# Altium PCB QRE_PCB.PcbDoc
Units mm, origin at the board's own origin, x right, y up, seen from the top; angles counter-clockwise.
Board outline 55 x 20 mm, 2 copper layers (Top Layer, Bottom Layer); 10 components, 9 nets, 32 pads, 6 vias.
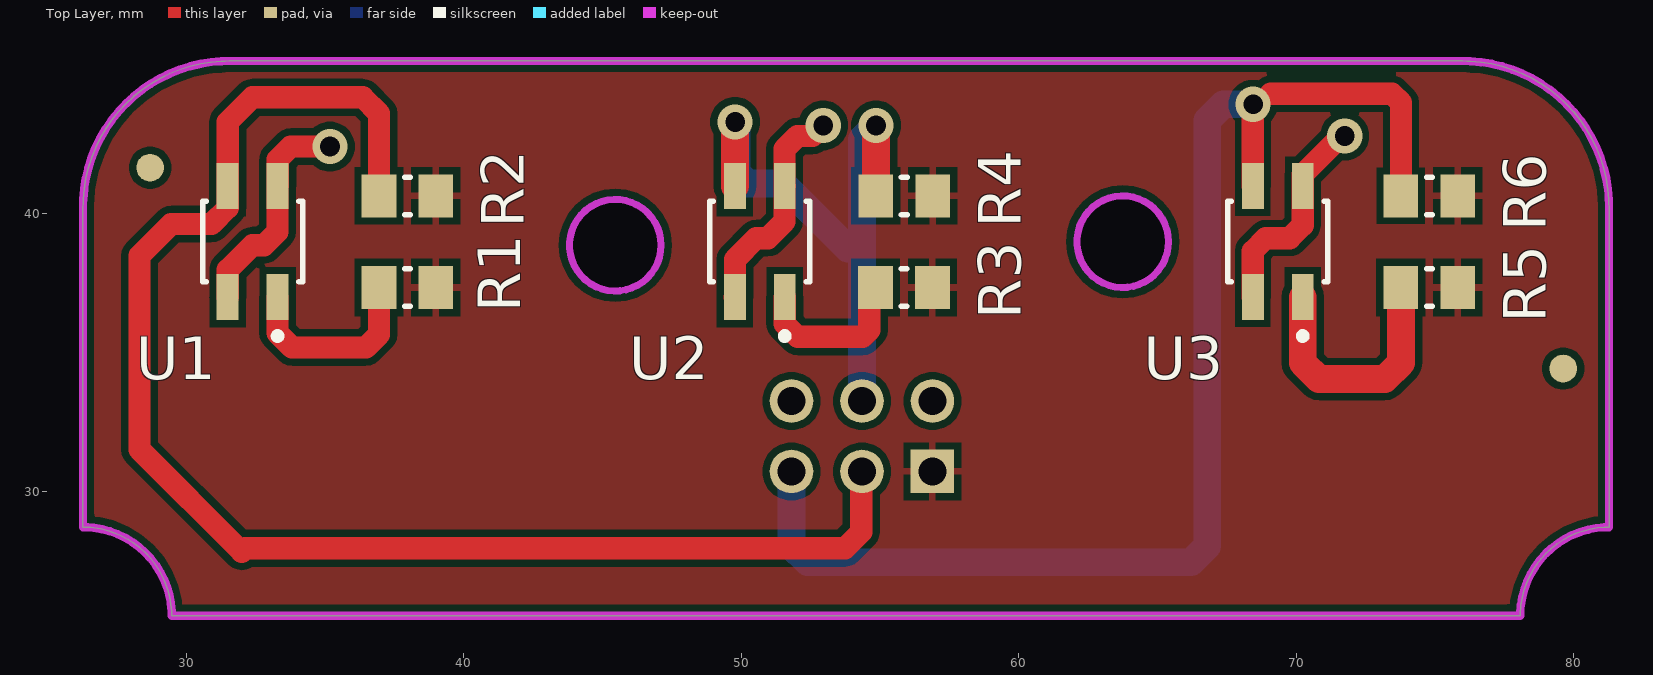
[diagram p0: Top Layer view]
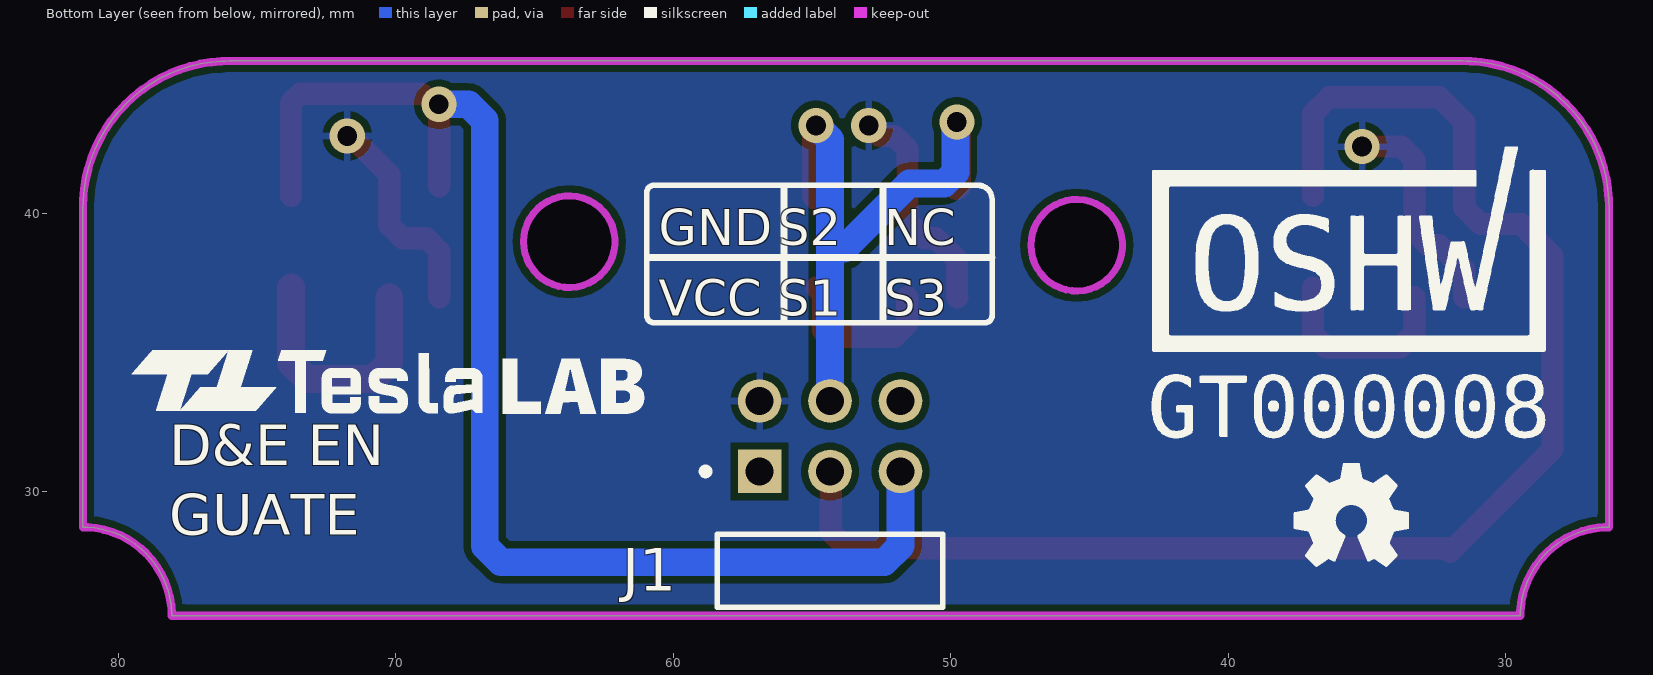
[diagram p1: Bottom Layer view, seen from below]

## Layer stack, top to bottom
Top Solder: solder mask 0.0102, Solder Resist, Dk 3.5
Top Layer: signal copper 0.0356
Dielectric 1: dielectric 0.32, FR-4, Dk 4.8
Bottom Layer: signal copper 0.0356
Bottom Solder: solder mask 0.0102, Solder Resist, Dk 3.5

## Board outline
26.449,28.698 cw(c26.282,25.486) 26.672,28.678 cw(c26.279,25.502) 29.476,25.665 cw(c26.233,25.502) 29.48,25.502 78.08,25.502 cw(c81.332,25.502) 78.084,25.671 cw(c81.299,25.504) 78.104,25.894 cw(c81.28,25.501) 81.117,28.698 cw(c81.28,25.454) 81.28,28.702 81.28,40.235 ccw(c75.927,40.236) 81.273,40.513 ccw(c75.985,40.239) 81.241,40.88 ccw(c76.013,40.234) 76.282,45.495 ccw(c76.014,40.153) 76.013,45.502 31.547,45.502 ccw(c31.546,40.153) 31.269,45.495 ccw(c31.543,40.207) 30.902,45.463 ccw(c31.548,40.235) 26.287,40.504 ccw(c31.633,40.236) 26.28,40.235 26.28,28.702 cw(c26.28,25.45)
cut-out: 43.816,38.862 ccw(c45.466,38.862) 45.466,37.212 ccw(c45.466,38.862) 47.116,38.862 ccw(c45.466,38.862) 45.466,40.512 ccw(c45.466,38.862)
cut-out: 62.104,38.989 ccw(c63.754,38.989) 63.754,37.339 ccw(c63.754,38.989) 65.404,38.989 ccw(c63.754,38.989) 63.754,40.639 ccw(c63.754,38.989)

## Design rules (kind name [scope] priority, off if disabled: settings)
Clearance [All] p1: gap=0.254 ignorepadtopadclearanceinfootprint=FALSE except(0: Arc-Hole Track-Hole SMDPad-Hole THPad-Hole Via-Hole Fill-Hole Poly-Hole Region-Hole Text-Hole)
PolygonConnect [All] p1: connectstyle=Relief reliefconductorwidth=0.254 reliefentries=4 polygonreliefangle="90 Angle" airgapwidth=0.254
RoutingVias [All] p1: holewidth=0.711 width=1.27 viastyle="Through Hole" minholewidth=0.711 minwidth=1.27 maxholewidth=0.711 maxwidth=1.27
SolderMaskExpansion [All] p1: expansion=0.102 istentingtop=FALSE
Width [All] p1: maxlimit=2 minlimit=0.254 preferedwidth=0.8
30 further rules are at their usual default settings.

## Components (designator, comment, footprint, x,y, rotation, side; value= is the part's Value field where it differs from the comment)
J1 "M20-9950345" FP-M20-9950345-MFG 54.356,27.178 r180 bottom
R1 "CRCW0805100RFKEA" RESC2013X50X30ML20T20 37.973,37.338 r180 top
R2 "10 k" RESC2013X60X30ML20T20 37.973,40.64 r180 top
R3 "CRCW0805100RFKEA" RESC2013X50X30ML20T20 55.871,37.338 r180 top
R4 "10 k" RESC2013X60X30ML20T20 55.88,40.64 r180 top
R5 "CRCW0805100RFKEA" RESC2013X50X30ML20T20 74.803,37.338 r180 top
R6 "10 k" RESC2013X60X30ML20T20 74.803,40.64 r180 top
U1 "QRE1113GR" FP-100CY-MFG 32.396,38.989 r90 top
U2 "QRE1113GR" FP-100CY-MFG 50.673,38.989 r90 top
U3 "QRE1113GR" FP-100CY-MFG 69.342,38.989 r90 top

## Footprints (in the part's own frame and the unit in brackets; to place one, negate y for a bottom-side part, rotate by r counter-clockwise, add the part's x,y. Pads: shape width x height; smd on the part's side, far side on the other; paste and mask are expansions set on the pad)
FP-100CY-MFG [mm]
  rect 1.66x0.79 smd paste+0 mask+0: 1(-2,-0.9) 2(2,-0.9) 3(2,0.9) 4(-2,0.9)
  silkscreen extent -3.52,-1.8 1.45,1.8, body extent -2.93,-1.9 2.93,1.9, height 0.25
FP-M20-9950345-MFG [mm]
  rect 1.57x1.57 hole 1.02 paste-1000 mask+0: 1(-2.54,3.53)
  round 1.57 hole 1.02 paste-1000 mask+0: 2(-2.54,6.07) 3(0,3.53) 4(0,6.07) 5(2.54,3.53) 6(2.54,6.07)
  silkscreen extent -4.61,-1.37 4.06,3.65, body extent -3.81,-7.37 3.81,6.39, height 5.28
RESC2013X50X30ML20T20 [mm] "Chip Resistor, 2-Leads, Body 2.00x1.25mm, IPC Low Density"
  rect 1.25x1.55 smd: 1(-1.025,0) 2(1.025,0)
  silkscreen extent -0.1,-0.67 0.1,0.67, body extent -1.1,-0.72 1.1,0.72, height 0.5
RESC2013X60X30ML20T20 [mm] "Chip Resistor, 2-Leads, Body 2.00x1.25mm, IPC Low Density"
  rect 1.25x1.55 smd: 1(-1.025,0) 2(1.025,0)
  silkscreen extent -0.1,-0.67 0.1,0.67, body extent -1.1,-0.72 1.1,0.72, height 0.6

## Part data
J1: library part CMP-15831-000002-1, "CONN HEADER R/A 6POS 2.54MM", Current Rating=3A, Manufacturer=Harwin, Package=0, Temperature="-40°C to +105°C", Temperature Range High=+105°C, Temperature Range Low=-40°C, Automotive=No, Category=Conn, ComponentLink2Description=Datasheet, ComponentLink2URL=https://cdn.harwin.com/pdfs/M20-995.pdf, Conn Gender=Male, Conn Orientation="Right Angle", Contact Material=Gold,Nickel, Device Class L1=Connectors, Device Class L2="Headers and Wire Housings", Device Class L3=unset, Digikey Description="CONN HEADER R/A 6POS 2.54MM", Height=5.28mm, Ipc Land Pattern Name=DFN400X400X80-14, Lead Free=Yes, Manufacturer Part Number=M20-9950345, Mouser Description="Headers & Wire Housings 03+03 DIL HORIZONTAL PIN HEADER GOLD HT", Number of Contacts=6, Number Of Rows=2, Octopart=https://octopart.com/m20-9950345-harwin-21265213, Pitch=2.54mm, RoHS=TRUE
R1 R3 R5: library part CMP-2001-04901-1, Manufacturer="Vishay Dale", Part Number=CRCW0805100RFKEA
R2 R4 R6: library part CMP-2001-04657-1, "10 kOhms ±5% 0.25W, 1/4W Chip Resistor 0805 (2012 Metric) Automotive AEC-Q200, Moisture Resistant Thick Film", Manufacturer="KOA Speer", Part Number=RK73B2ATTD103J
U1 U2 U3: library part CMP-2000-06919-2, "SENSOR OPTO TRANS REFL SMD PHOTO", Case/Package=SMD/SMT, Collector Emitter Breakdown Voltage=30V, Forward Current=50mA, Forward Voltage=1.2V, Max Collector Current=20mA, Max Operating Temperature=85°C, Max Power Dissipation=75mW, Min Operating Temperature=-40°C, Operating Supply Voltage=1.7V, Package Quantity=1000, Reverse Breakdown Voltage=5V, Collector Emitter Voltage (VCEO)=30V, Contact Plating=Tin, Fall Time=20us, Height=1.7mm, Input Current=50mA, Lead Free="Lead Free", Length=3.6mm, Max Breakdown Voltage=30V, Mount="Surface Mount", Number of Channels=1, Number of Elements=1, Number of Pins=4, Output Type=Phototransistor, Packaging="Tape and Reel", Power Dissipation=75mW, Radiation Hardening=No, REACH SVHC="No SVHC", Response Time=20us, Reverse Voltage (DC)=5V, Rise Time=20us, Sensing Distance=0.197inch, Wavelength=940nm, Weight=0.078g, Width=2.9mm

## Free pads (board coordinates)
  round 1 smd paste+0 mask+0.5: 100(28.702,41.656) 100(79.629,34.417)

## Via types
v1: diameter 1.27, hole 0.711, Top Layer to Bottom Layer, tented both sides, 6 vias

## Nets (pads, with @x,y where several pads share a name; then routed paths per layer and width w, separated by ;. In a path a pad name is that pad's centre, name@x,y a point inside that pad or via, vN(x,y) a via of type N, cw(c..) or ccw(c..) an arc to the next point about the centre after c; other vN are vias at no path point)
5V: 
GND: J1.2 U1.2 U1.4 U2.2 U2.4 U3.2 U3.4 | length 23.9
  Top Layer w0.8: U1.4 31.501,36.994 31.501,37.978 32.385,38.862 32.805,38.862 33.291,39.348 33.291,40.984 U1.2 33.301,40.994 33.301,41.949 33.77,42.418 v1(35.179,42.418) ; U2.4 49.778,36.994 49.778,38.348 50.546,39.116 50.966,39.116 51.568,39.718 51.568,40.984 U2.2 51.568,40.994 51.568,42.33 52.037,42.799 52.578,42.799 v1(52.959,43.18) ; U3.4 68.442,38.647 68.911,39.116 69.773,39.116 70.242,39.585 U3.2 70.242,41.414 71.627,42.799 v1(71.755,42.799)
NetR1_2: R1.2 U1.1 | length 7
  Top Layer w0.8: U1.1 33.291,36.984 33.291,35.704 33.816,35.179 36.479,35.179 36.948,35.648 R1.2
NetR3_2: R3.2 U2.1 | length 5.9
  Top Layer w0.8: U2.1 51.573,36.029 52.042,35.56 54.377,35.56 54.621,35.804 54.621,37.113 R3.2
NetR5_2: R5.2 U3.1 | length 9.1
  Top Layer w1: U3.1 70.242,34.622 70.828,34.036 73.201,34.036 73.787,34.622 73.787,37.329 R5.2
S1: J1.3 R2.2 U1.3 | length 53
  Top Layer w0.8: R2.2 36.948,43.61 36.362,44.196 32.385,44.196 31.496,43.307 U1.3 31.496,40.21 30.91,39.624 29.464,39.624 28.321,38.481 28.321,31.496 32.004,27.813 32.131,27.94 53.745,27.94 54.331,28.526 54.331,30.683 J1.3
S2: J1.4 R4.2 U2.3 | length 22.6
  Top Layer w1: U2.3 49.779,40.995 49.779,43.302 v1(49.784,43.307) ; R4.2 54.859,40.645 54.859,43.175 v1(54.864,43.18)
  Bottom Layer w1: v1@49.784,43.234 v1(49.784,43.307) 49.836,43.255 49.836,41.492 50.243,41.084 51.498,41.084 53.848,38.735 54.356,38.735 ; J1.4 54.356,38.735 ; v1(54.864,43.18) 54.356,42.672 54.356,38.735
S3: J1.5 R6.2 U3.3 | length 46.3
  Top Layer w0.8: U3.3 v1@68.442,43.677 ; 69.088,44.323 73.455,44.323 73.778,44 R6.2
  Bottom Layer w1: J1.5 51.816,28.018 52.402,27.432 66.216,27.432 66.802,28.018 66.802,43.356 67.388,43.942 v1(68.453,43.942)
VCC: J1.1 R1.1 R2.1 R3.1 R4.1 R5.1 R6.1
pads on no net: J1.6

## Polygon pours and split planes (outlines as drawn)
VCC on Top Layer "NONET_L-01_P-001" (solid, pour order 0): 26.449,28.698 cw(c26.282,25.486) 26.672,28.678 cw(c26.279,25.502) 29.476,25.665 cw(c26.233,25.502) 29.48,25.502 78.08,25.502 cw(c81.332,25.502) 78.084,25.671 cw(c81.299,25.504) 78.104,25.894 cw(c81.28,25.501) 81.117,28.698 cw(c81.28,25.454) 81.28,28.702 81.28,40.235 ccw(c75.927,40.236) 81.273,40.513 ccw(c75.985,40.239) 81.241,40.88 ccw(c76.013,40.234) 76.282,45.495 ccw(c76.014,40.153) 76.013,45.502 31.547,45.502 ccw(c31.546,40.153) 31.269,45.495 ccw(c31.543,40.207) 30.902,45.463 ccw(c31.548,40.235) 26.287,40.504 ccw(c31.633,40.236) 26.28,40.235 26.28,28.702 cw(c26.28,25.45)
GND on Bottom Layer "NONET_L-01_P-001" (solid, pour order 1): 26.381,28.662 cw(c26.215,25.45) 26.604,28.642 cw(c26.212,25.466) 29.409,25.629 cw(c26.165,25.466) 29.413,25.466 78.013,25.466 cw(c81.265,25.466) 78.017,25.635 cw(c81.232,25.468) 78.036,25.858 cw(c81.213,25.465) 81.049,28.662 cw(c81.212,25.418) 81.213,28.666 81.213,40.199 ccw(c75.86,40.2) 81.205,40.477 ccw(c75.918,40.203) 81.174,40.844 ccw(c75.945,40.198) 76.215,45.459 ccw(c75.946,40.117) 75.946,45.466 31.479,45.466 ccw(c31.479,40.117) 31.202,45.459 ccw(c31.476,40.171) 30.835,45.427 ccw(c31.481,40.199) 26.219,40.468 ccw(c31.565,40.2) 26.213,40.199 26.213,28.666 cw(c26.213,25.414)

## Keep-outs
Keep-Out Layer:
  circle w0.254: c63.754,38.989 r1.65
  circle w0.254: c45.466,38.862 r1.65
  lines w0.3: 26.28,28.702 cw(c26.28,25.45) 26.449,28.698 cw(c26.282,25.483) 26.672,28.678 cw(c26.279,25.502) 29.476,25.665 cw(c26.227,25.502) 29.48,25.502 78.08,25.502 cw(c81.332,25.502) 78.084,25.671 cw(c81.299,25.504) 78.104,25.894 cw(c81.28,25.501) 81.117,28.698 cw(c81.28,25.449) 81.28,28.702 81.28,40.235 ccw(c75.927,40.236) 81.273,40.513 ccw(c75.983,40.239) 81.241,40.88 ccw(c76.013,40.234) 76.282,45.495 ccw(c76.014,40.149) 76.013,45.502 31.547,45.502 ccw(c31.546,40.149) 31.269,45.495 ccw(c31.543,40.205) 30.902,45.463 ccw(c31.548,40.235) 26.287,40.504 ccw(c31.634,40.236) 26.28,40.235 26.28,28.702

## Silkscreen, mask and mechanical layers (free items; w line width, h text height)
Top Overlay:
  region: 61.354,32.215 61.354,32.218 61.356,32.218 61.356,32.215
  region: 63.854,32.218 63.854,32.215 63.852,32.215 63.852,32.218
  region: 69.342,32.37 69.344,32.37 69.344,32.368 69.342,32.368
  region: 74.814,31.304 74.814,31.306 74.817,31.306 74.817,31.304
  region: 71.795,32.318 71.795,32.316 71.793,32.316 71.793,32.318
  region: 77.64,31.295 77.64,31.298 77.642,31.298 77.642,31.295
  region: 69.292,30.99 69.29,30.99 69.29,30.992 69.292,30.992
Bottom Overlay:
  drawing of 43 lines, arcs and shapes, not listed
  text "NC" at 52.408,38.862 h1.3
  text "S2" at 56.218,38.862 h1.3
  text "GND" at 60.536,38.862 h1.3
  text "S3" at 52.408,36.322 h1.3
  text "S1" at 56.218,36.322 h1.3
  text "VCC" at 60.536,36.322 h1.3
  text "D&E EN  / GUATE" at 78.168,27.94 h2.5